# Altium PCB PCB_mcbHallV2.PcbDoc
Units mm, origin at the board's own origin, x right, y up, seen from the top; angles counter-clockwise.
Board outline 245 x 135 mm, 2 copper layers (Top Layer, Bottom Layer), stack 1.59 mm thick; 222 components, 122 nets, 591 pads, 0 vias.
Unrouted connection lines stored in the file: 368.
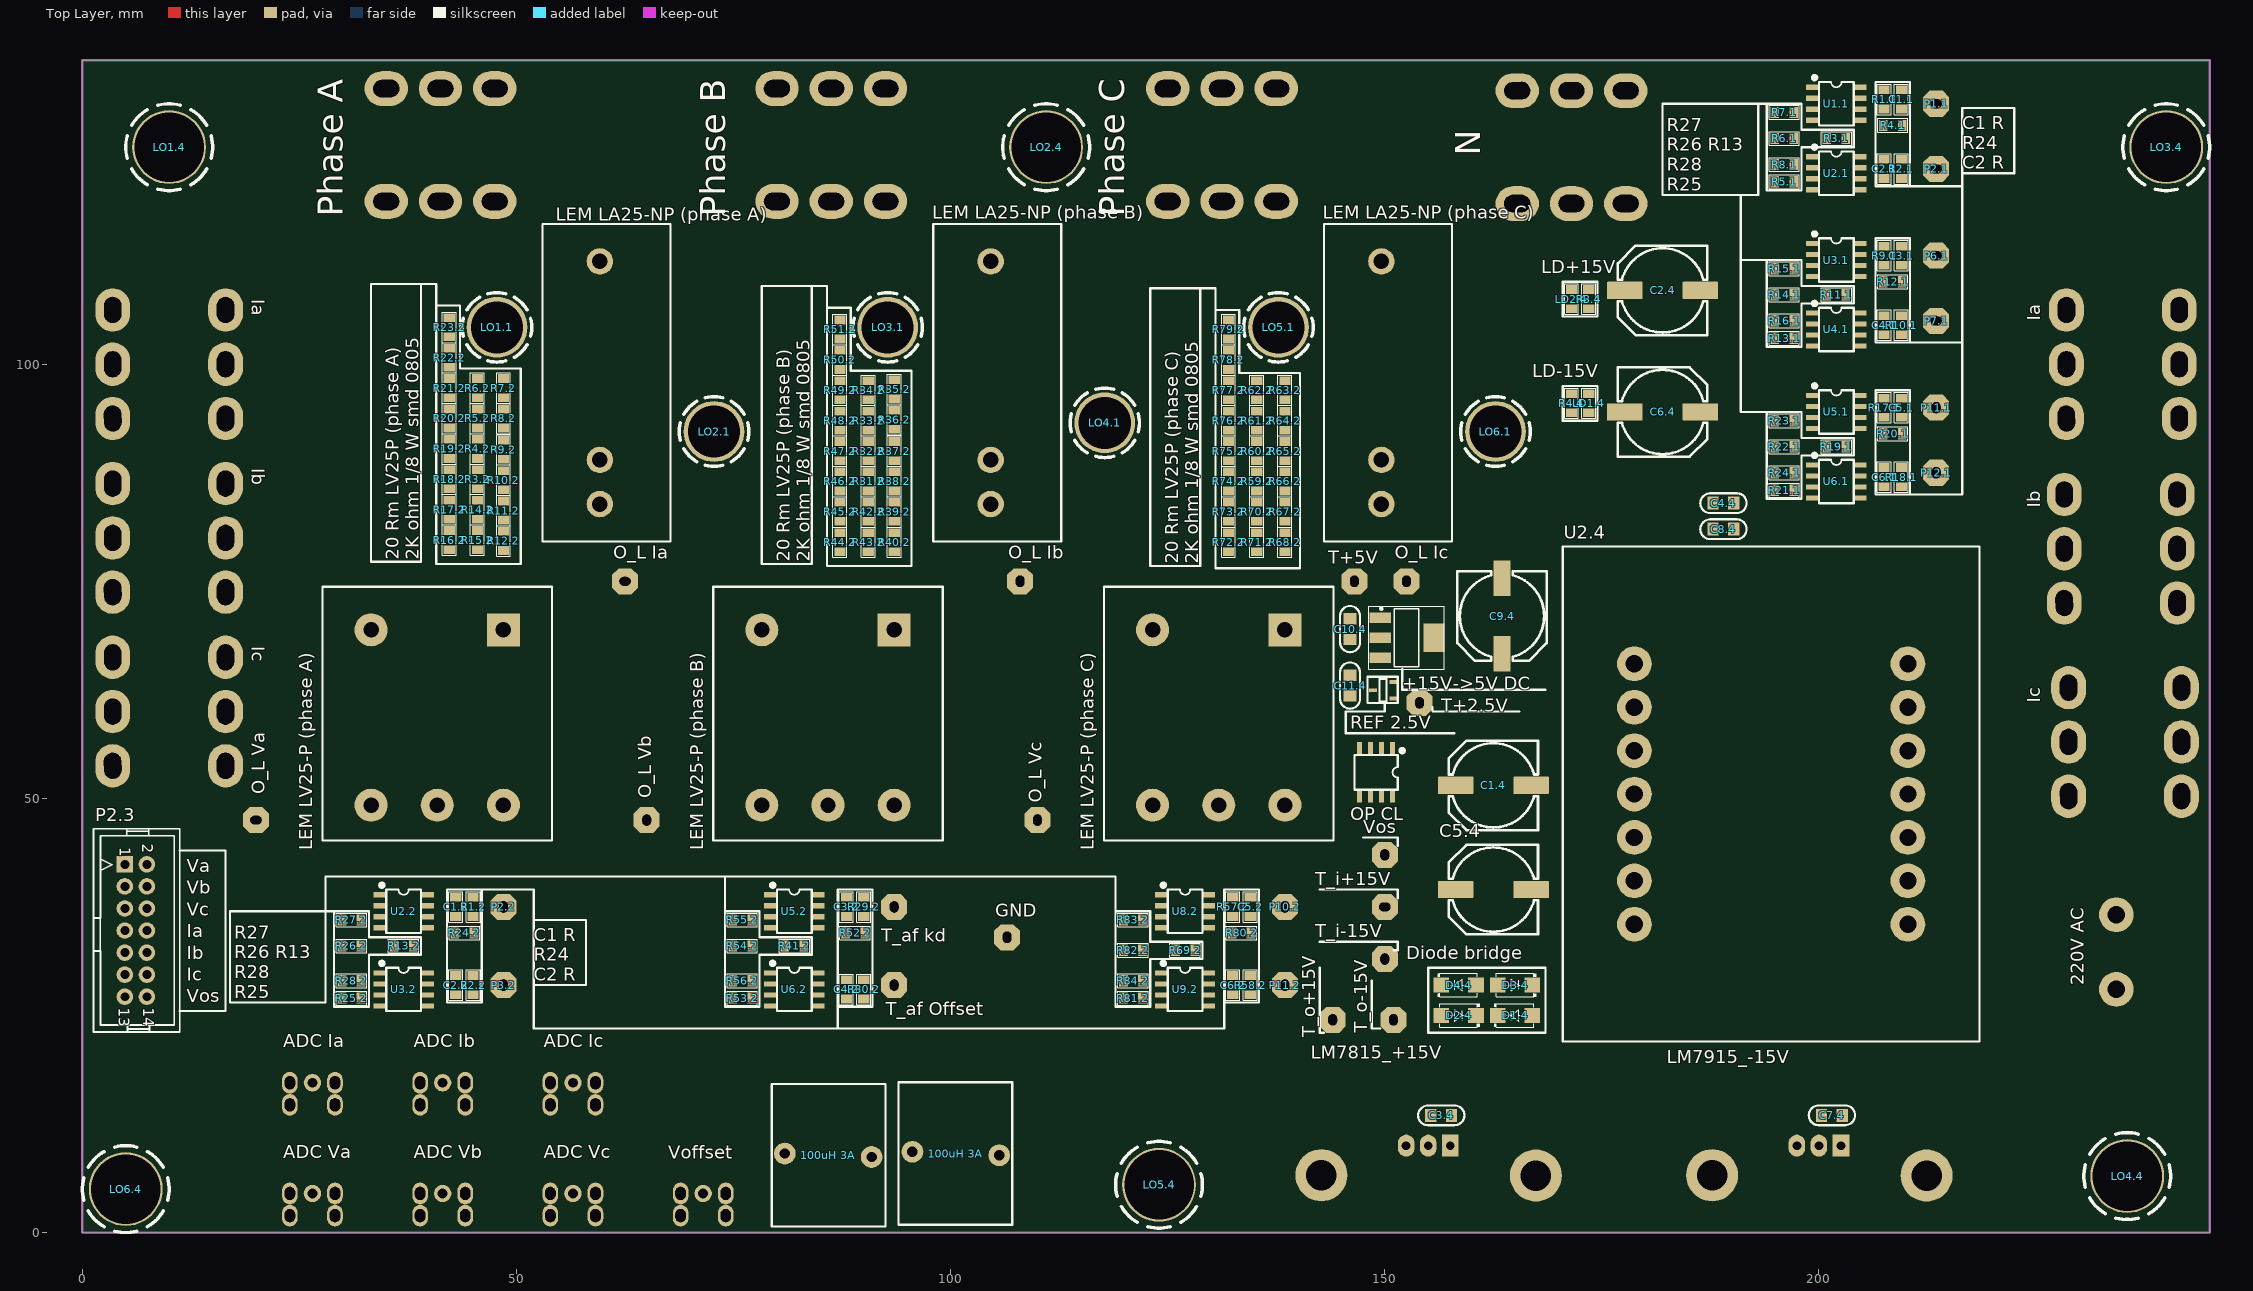
[diagram p0: Top Layer view]
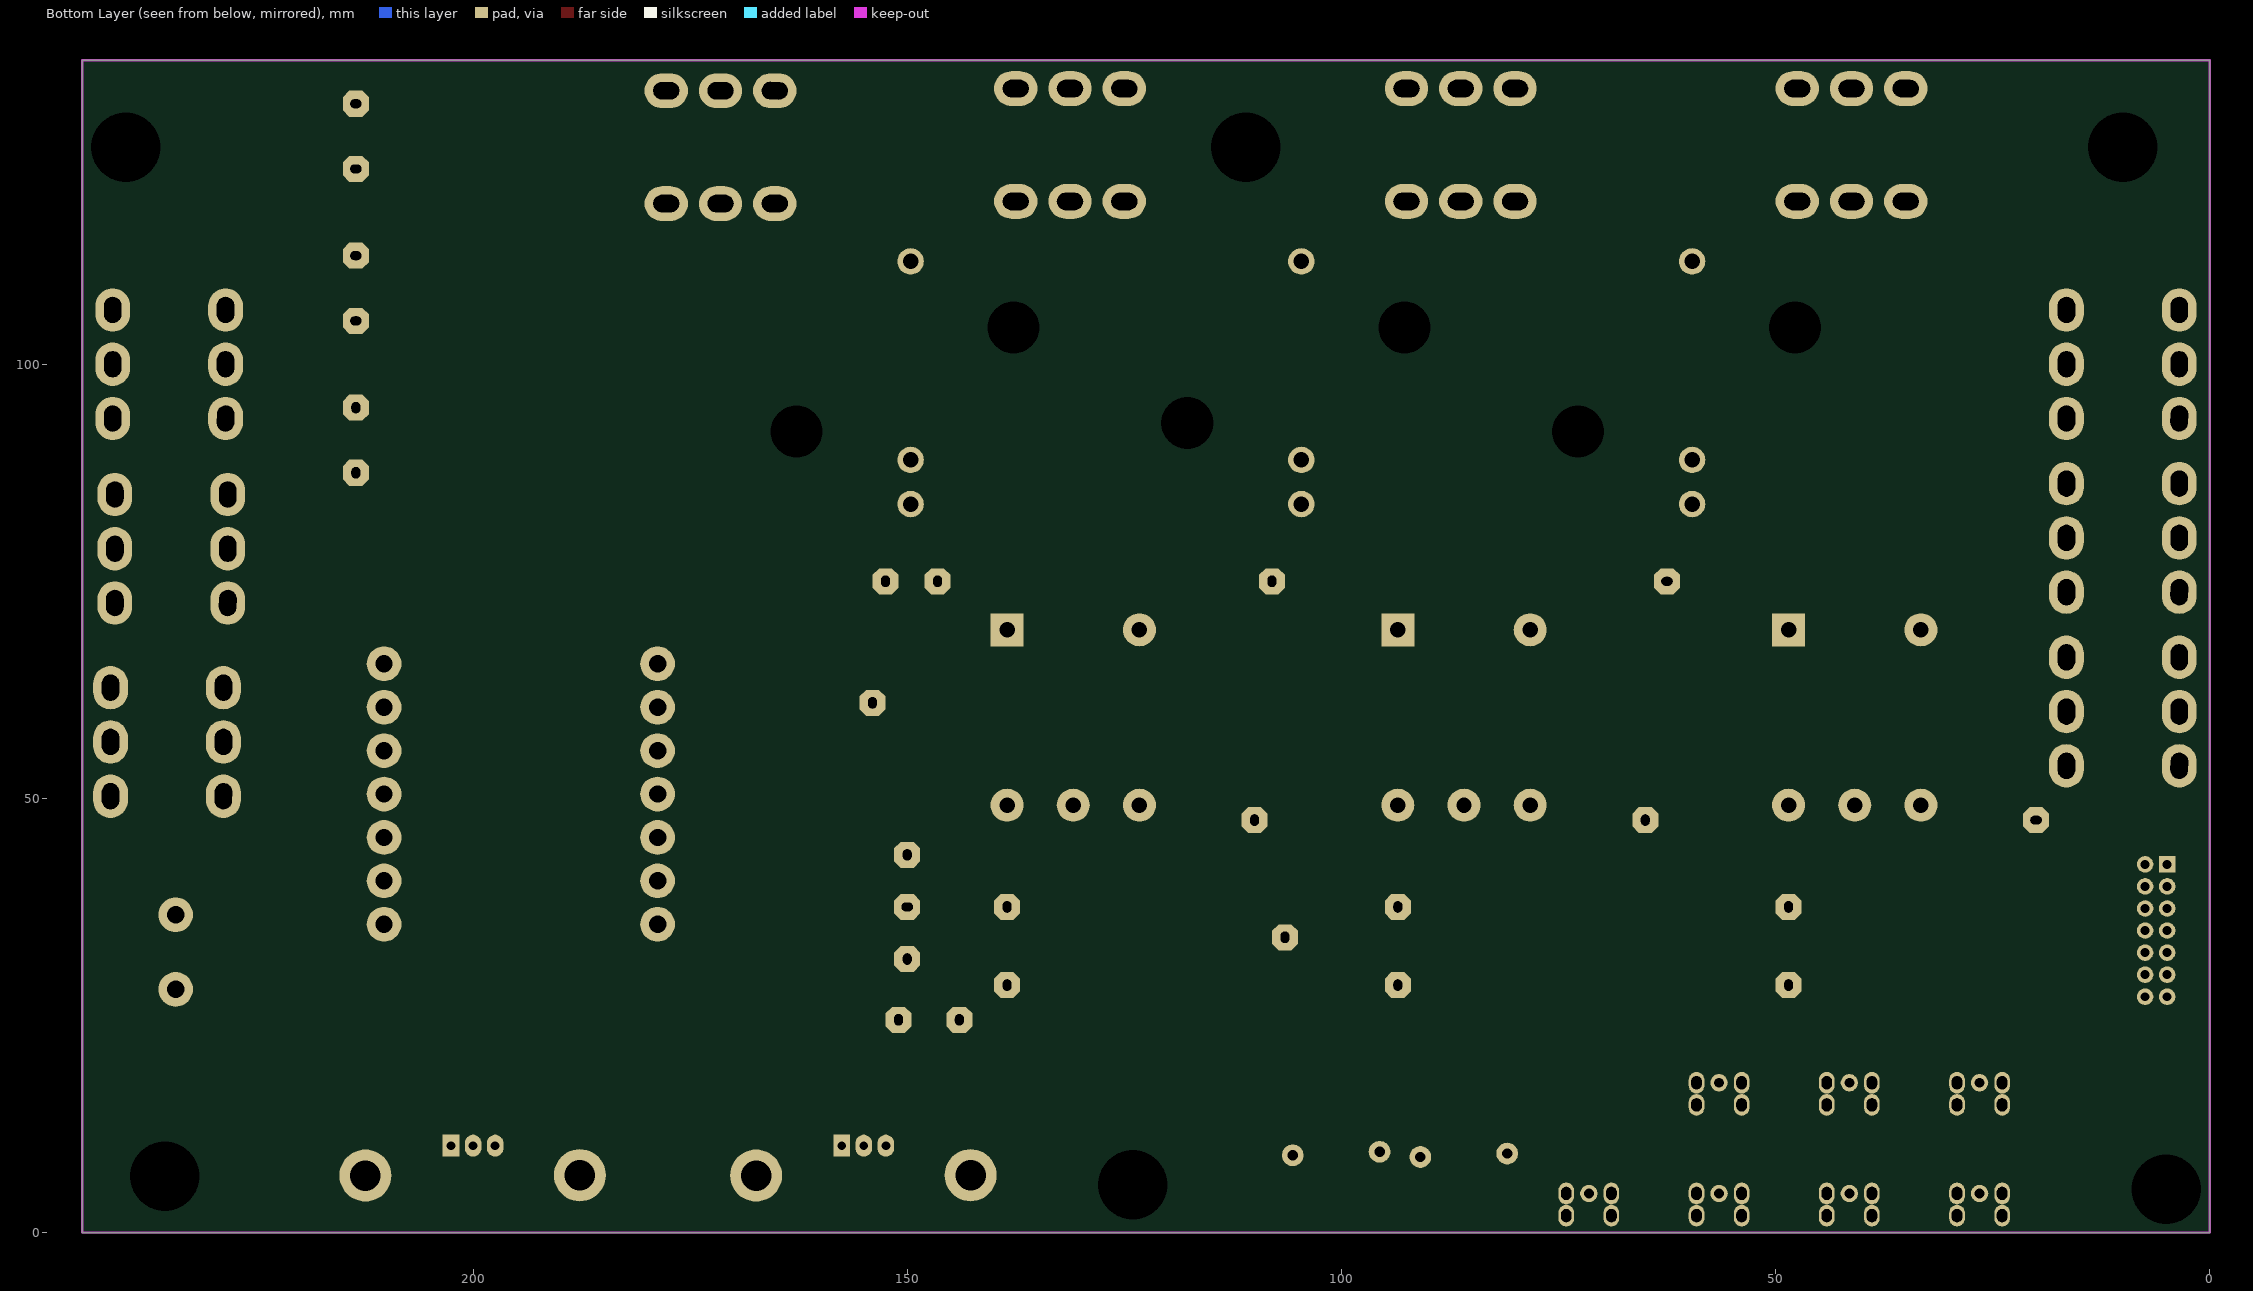
[diagram p1: Bottom Layer view, seen from below]

## Layer stack, top to bottom
Top Solder: solder mask 0.01, Solder Resist, Dk 3.5
Top Layer: signal copper 0.035
Dielectric 1: dielectric 1.52, FR-4, Dk 4.8
Bottom Layer: signal copper 0.035
Bottom Solder: solder mask 0.01, Solder Resist, Dk 3.5

## Board outline
0,0 245,0 245,135 0,135

## Design rules (kind name [scope] priority, off if disabled: settings)
Clearance [All] p1: gap=0.254
PolygonConnect [All] p1: connectstyle=Relief reliefconductorwidth=0.254 reliefentries=4 polygonreliefangle="90 Angle" airgapwidth=0.254
RoutingVias [All] p1: holewidth=0.711 width=1.27 viastyle="Through Hole" minholewidth=0.711 minwidth=1.27 maxholewidth=0.711 maxwidth=1.27
SolderMaskExpansion [All] p1: expansion=0.102
Width [All] p1: maxlimit=0.254 minlimit=0.254 preferedwidth=0.254
30 further rules are at their usual default settings.

## Classes and differential pairs
component class SCH_power: "100uH 3A" "220V AC" "+15V->5V DC" C1.4 C2.4 C3.4 C4.4 C5.4 C6.4 C7.4 C8.4 C9.4 C10.4 C11.4 D1.4 D2.4 D3.4 D4.4 GND LD1.4 LD2.4 LM7815_+15V Lm7915 LO1.4 LO2.4 LO3.4 LO4.4 LO5.4 LO6.4 "OP CL" R3.4 R4.4 "REF 2.5V" T+2.5V T+5V T_i+15V T_i-15V T_o+15V T_o-15V U2.4 Vos
component class SCH_Output: "ADC Ia" "ADC Ib" "ADC Ic" "ADC Va" "ADC Vb" "ADC Vc" P2.3 Voffset
component class SCH_HallVoltageLV25np: C1.2 C2.2 C3.2 C4.2 C5.2 C6.2 "LEM LV25-P (phase A)" "LEM LV25-P (phase B)" "LEM LV25-P (phase C)" "LEM LV 25P (phase A) 500V" N "O_L Va" "O_L Vb" "O_L Vc" P2.2 P3.2 P10.2 P11.2 "Phase A" "Phase B" "Phase C" R1.2 R2.2 R3.2 R4.2 R5.2 R6.2 R7.2 R8.2 R9.2 R10.2 R11.2 R12.2 R13.2 R14.2 R15.2 R16.2 R17.2 R18.2 R19.2 R20.2 R21.2 R22.2 R23.2 R24.2 R25.2 R26.2 R27.2 R28.2 R29.2 R30.2 R31.2 R32.2 R33.2 R34.2 R35.2 R36.2 R37.2 R38.2 R39.2 R40.2 R41.2 R42.2 R43.2 R44.2 R45.2 R46.2 R47.2 R48.2 R49.2 R50.2 R51.2 R52.2 R53.2 R54.2 R55.2 R56.2 R57.2 R58.2 R59.2 R60.2 R61.2 R62.2 R63.2 R64.2 R65.2 R66.2 R67.2 R68.2 R69.2 R70.2 R71.2 R72.2 R73.2 R74.2 R75.2 R76.2 R77.2 R78.2 R79.2 R80.2 R81.2 R82.2 R83.2 R84.2 "T_af kd" "T_af Offset" U2.2 U3.2 U5.2 U6.2 U8.2 U9.2
component class SCH_HallcurrentLA25p: C1.1 C2.1 C3.1 C4.1 C5.1 C6.1 Ia Ib Ic "LA25-NP(phase A)" "LEM LA25-NP (phase A)" "LEM LA25-NP (phase B)" "LEM LA25-NP (phase C)" LO1.1 LO2.1 LO3.1 LO4.1 LO5.1 LO6.1 "O_L Ia" "O_L Ib" "O_L Ic" P1.1 P2.1 P6.1 P7.1 P11.1 P12.1 R1.1 R2.1 R3.1 R4.1 R5.1 R6.1 R7.1 R8.1 R9.1 R10.1 R11.1 R12.1 R13.1 R14.1 R15.1 R16.1 R17.1 R18.1 R19.1 R20.1 R21.1 R22.1 R23.1 R24.1 U1.1 U2.1 U3.1 U4.1 U5.1 U6.1

## Components (designator, comment, footprint, x,y, rotation, side; value= is the part's Value field where it differs from the comment)
"100uH 3A" "Inductor" induction_coil 86,9 r0 top (schematic designator L2.4)
"100uH 3A" "Inductor" induction_coil 100.5,9 r180 top (schematic designator L1.4)
"220V AC" "JACL AC" "IEC C8" 234.5,32 r90 top (schematic designator P4.4)
"+15V->5V DC" "LM1117MP-3.3TR" AMS1117 152.5,68.5 r0 top (schematic designator U4.4)
"ADC Ia" "SMA" SMA 26.5,17.25 r0 top (schematic designator P5.3)
"ADC Ib" "SMA" SMA 41.5,17.25 r0 top (schematic designator P6.3)
"ADC Ic" "SMA" SMA 56.5,17.25 r0 top (schematic designator P7.3)
"ADC Va" "SMA" SMA 26.5,4.5 r0 top (schematic designator P1.3)
"ADC Vb" "SMA" SMA 41.5,4.5 r0 top (schematic designator P3.3)
"ADC Vc" "SMA" SMA 56.5,4.5 r0 top (schematic designator P4.3)
C1.1 "100uF" CAPC0805 209.5,130.5 r270 top
C1.2 "Capacitor" CAPC0805 43,37.5 r270 top
C1.4 "Capacitor Polar" CAP_SMD_L=10.5 162.5,51.5 r0 top
C2.1 "100uF" CAPC0805 207.5,122.5 r90 top
C2.2 "Capacitor" CAPC0805 43,28.5 r90 top
C2.4 "Capacitor Polar" CAP_SMD_L=10.5 182,108.5 r0 top
C3.1 "100uF" CAPC0805 209.5,112.5 r270 top
C3.2 "Capacitor" CAPC0805 88,37.5 r90 top
C3.4 "100nF" C-NP-0805 156.5,13.5 r180 top
C4.1 "100uF" CAPC0805 207.5,104.5 r90 top
C4.2 "Capacitor" CAPC0805 88,28 r90 top
C4.4 "100nF" C-NP-0805 189,84 r180 top
C5.1 "100uF" CAPC0805 209.5,95 r270 top
C5.2 "Capacitor" CAPC0805 134.5,37.5 r270 top
C5.4 "Capacitor Polar" CAP_SMD_L=10.5 162.5,39.5 r0 top
C6.1 "100uF" CAPC0805 207.5,87 r90 top
C6.2 "Capacitor" CAPC0805 132.5,28.5 r90 top
C6.4 "Capacitor Polar" CAP_SMD_L=10.5 182,94.5 r180 top
C7.4 "100nF" C-NP-0805 201.5,13.5 r0 top
C8.4 "100nF" C-NP-0805 189,81 r180 top
C9.4 "Capacitor Polar" CAP_SMD_L=10.5 163.5,71 r90 top
C10.4 "100nF" C-NP-0805 146,69.5 r90 top
C11.4 "100nF" C-NP-0805 146,63 r90 top
D1.4 "Diode" DO-214AC 165,25 r180 top
D2.4 "Diode" DO-214AC 158.5,25 r0 top
D3.4 "Diode" DO-214AC 165,28.5 r0 top
D4.4 "Diode" DO-214AC 158.5,28.5 r180 top
GND "testpin" Tp_black_1p 106.5,34 r90 top (schematic designator P3.4)
Ia "Terminal on PCB" "Terminal M5" 235,100 r90 top (schematic designator P4.1)
Ia "Terminal on PCB" "Terminal M5" 10,100 r90 top (schematic designator P3.1)
Ib "Terminal on PCB" "Terminal M5" 234.75,78.75 r90 top (schematic designator P15.1)
Ib "Terminal on PCB" "Terminal M5" 10,80 r90 top (schematic designator P8.1)
Ic "Terminal on PCB" "Terminal M5" 10,60 r90 top (schematic designator P13.1)
Ic "Terminal on PCB" "Terminal M5" 235.25,56.5 r90 top (schematic designator P9.1)
LD1.4 "LED-Blue" "LED 0805 Blue" 173.5,95.5 r270 top
LD2.4 "LED-RED" "LED RED 0805" 171.5,107.5 r90 top
"LEM LA25-NP (phase A)" "LEM LA25_P" "LEM LA25_P" 60.75,98.25 r90 top (schematic designator U7.1)
"LEM LA25-NP (phase B)" "LEM LA25_P" "LEM LA25_P" 105.75,98.25 r90 top (schematic designator U8.1)
"LEM LA25-NP (phase C)" "LEM LA25_P" "LEM LA25_P" 150.75,98.25 r90 top (schematic designator U9.1)
"LEM LV25-P (phase A)" "LEM Lv25_P" "LEN LV25_P" 40.75,59.25 r270 top (schematic designator U1.2)
"LEM LV25-P (phase B)" "LEM Lv25_P" "LEN LV25_P" 85.75,59.25 r270 top (schematic designator U4.2)
"LEM LV25-P (phase C)" "LEM Lv25_P" "LEN LV25_P" 130.75,59.25 r270 top (schematic designator U7.2)
LM7815_+15V "LM78xx" "TO 220 THermal 25x25" 155,10 r180 top (schematic designator U1.4)
LM7915_-15V "79LXX" "TO 220 THermal 25x25" 200,10 r180 top (schematic designator U3.4)
LO1.1 "LO KHOAN" "Lo Khoang - 6mm" 47.75,104.25 r0 top
LO1.4 "LO KHOAN" "SP PCB" 10,125 r0 top
LO2.1 "LO KHOAN" "Lo Khoang - 6mm" 72.75,92.25 r0 top
LO2.4 "LO KHOAN" "SP PCB" 111,125 r0 top
LO3.1 "LO KHOAN" "Lo Khoang - 6mm" 92.75,104.25 r0 top
LO3.4 "LO KHOAN" "SP PCB" 240,125 r0 top
LO4.1 "LO KHOAN" "Lo Khoang - 6mm" 117.75,93.25 r0 top
LO4.4 "LO KHOAN" "SP PCB" 235.5,6.5 r0 top
LO5.1 "LO KHOAN" "Lo Khoang - 6mm" 137.75,104.25 r0 top
LO5.4 "LO KHOAN" "SP PCB" 124,5.5 r0 top
LO6.1 "LO KHOAN" "Lo Khoang - 6mm" 162.75,92.25 r0 top
LO6.4 "LO KHOAN" "SP PCB" 5,5 r0 top
N "Terminal on PCB" "Terminal M5" 171.5,125 r0 top (schematic designator P13.2)
"O_L Ia" "testpin" Tp_blue_1p 62.5,75 r0 top (schematic designator P5.1)
"O_L Ib" "testpin" Tp_blue_1p 108,75 r90 top (schematic designator P10.1)
"O_L Ic" "testpin" Tp_blue_1p 152.5,75 r90 top (schematic designator P14.1)
"O_L Va" "testpin" tp_red_1p 20,47.5 r0 top (schematic designator P1.2)
"O_L Vb" "testpin" tp_red_1p 65,47.5 r90 top (schematic designator P5.2)
"O_L Vc" "testpin" tp_red_1p 110,47.5 r90 top (schematic designator P9.2)
"OP CL" "opamp_741" SOIC-8_dan 149,53 r270 top (schematic designator U5.4)
P1.1 "testpin" Tp_blue_1p 213.5,130 r0 top
P2.1 "testpin" Tp_blue_1p 213.5,122.5 r0 top
P2.2 "testpin" tp_red_1p 48.5,37.5 r90 top
P2.3 "header_2x7" hd_2x7 6,34.5 r270 top
P3.2 "testpin" tp_red_1p 48.5,28.5 r90 top
P6.1 "testpin" Tp_blue_1p 213.5,112.5 r0 top
P7.1 "testpin" Tp_blue_1p 213.5,105 r0 top
P10.2 "testpin" tp_red_1p 138.5,37.5 r90 top
P11.1 "testpin" Tp_blue_1p 213.5,95 r90 top
P11.2 "testpin" tp_red_1p 138.5,28.5 r90 top
P12.1 "testpin" Tp_blue_1p 213.5,87.5 r90 top
"Phase A" "Terminal on PCB" "Terminal M5" 41.25,125.25 r0 top (schematic designator P4.2)
"Phase B" "Terminal on PCB" "Terminal M5" 86.25,125.25 r0 top (schematic designator P8.2)
"Phase C" "Terminal on PCB" "Terminal M5" 131.25,125.25 r0 top (schematic designator P12.2)
R1.1 "Resistor" RESC0805 207.5,130.5 r90 top
R1.2 "Resistor" RESC0805 45,37.5 r90 top
R2.1 "Resistor" RESC0805 209.5,122.5 r270 top
R2.2 "Resistor" RESC0805 45,28.5 r270 top
R3.1 "Resistor" RESC0805 202,126 r180 top
R3.2 "Resistor" RESC0805 45.5,86.75 r90 top
R3.4 "Resistor" RESC0805 173.5,107.5 r90 top
R4.1 "Resistor" RESC0805 208.5,127.5 r180 top
R4.2 "Resistor" RESC0805 45.5,90.25 r270 top
R4.4 "Resistor" RESC0805 171.5,95.5 r90 top
R5.1 "Resistor" RESC0805 196,121 r180 top
R5.2 "Resistor" RESC0805 45.5,93.75 r90 top
R6.1 "Resistor" RESC0805 196,126 r0 top
R6.2 "Resistor" RESC0805 45.5,97.25 r270 top
R7.1 "Resistor" RESC0805 196,129 r0 top
R7.2 "Resistor" RESC0805 48.5,97.25 r270 top
R8.1 "Resistor" RESC0805 196,123 r0 top
R8.2 "Resistor" RESC0805 48.5,93.75 r90 top
R9.1 "Resistor" RESC0805 207.5,112.5 r90 top
R9.2 "Resistor" RESC0805 48.5,90.15 r270 top
R10.1 "Resistor" RESC0805 209.5,104.5 r270 top
R10.2 "Resistor" RESC0805 48.5,86.65 r90 top
R11.1 "Resistor" RESC0805 202,108 r180 top
R11.2 "Resistor" RESC0805 48.5,83.15 r270 top
R12.1 "Resistor" RESC0805 208.5,109.5 r180 top
R12.2 "Resistor" RESC0805 48.5,79.65 r90 top
R13.1 "Resistor" RESC0805 196,103 r180 top
R13.2 "Resistor" RESC0805 37,33 r180 top
R14.1 "Resistor" RESC0805 196,108 r0 top
R14.2 "Resistor" RESC0805 45.5,83.25 r270 top
R15.1 "Resistor" RESC0805 196,111 r0 top
R15.2 "Resistor" RESC0805 45.5,79.75 r90 top
R16.1 "Resistor" RESC0805 196,105 r0 top
R16.2 "Resistor" RESC0805 42.25,79.75 r90 top
R17.1 "Resistor" RESC0805 207.5,95 r90 top
R17.2 "Resistor" RESC0805 42.25,83.25 r270 top
R18.1 "Resistor" RESC0805 209.5,87 r270 top
R18.2 "Resistor" RESC0805 42.25,86.75 r90 top
R19.1 "Resistor" RESC0805 202,90.5 r180 top
R19.2 "Resistor" RESC0805 42.25,90.25 r270 top
R20.1 "Resistor" RESC0805 208.5,92 r180 top
R20.2 "Resistor" RESC0805 42.25,93.75 r90 top
R21.1 "Resistor" RESC0805 196,85.5 r180 top
R21.2 "Resistor" RESC0805 42.25,97.25 r270 top
R22.1 "Resistor" RESC0805 196,90.5 r0 top
R22.2 "Resistor" RESC0805 42.25,100.75 r90 top
R23.1 "Resistor" RESC0805 196,93.5 r0 top
R23.2 "Resistor" RESC0805 42.25,104.25 r270 top
R24.1 "Resistor" RESC0805 196,87.5 r0 top
R24.2 "Resistor" RESC0805 44,34.5 r0 top
R25.2 "Resistor" RESC0805 31,27 r180 top
R26.2 "Resistor" RESC0805 31,33 r0 top
R27.2 "Resistor" RESC0805 31,36 r0 top
R28.2 "Resistor" RESC0805 31,29 r0 top
R29.2 "Resistor" RESC0805 90,37.5 r270 top
R30.2 "Resistor" RESC0805 90,28 r270 top
R31.2 "Resistor" RESC0805 90.5,86.5 r90 top
R32.2 "Resistor" RESC0805 90.5,90 r270 top
R33.2 "Resistor" RESC0805 90.5,93.5 r90 top
R34.2 "Resistor" RESC0805 90.5,97 r270 top
R35.2 "Resistor" RESC0805 93.5,97.1 r270 top
R36.2 "Resistor" RESC0805 93.5,93.6 r90 top
R37.2 "Resistor" RESC0805 93.5,90 r270 top
R38.2 "Resistor" RESC0805 93.5,86.5 r90 top
R39.2 "Resistor" RESC0805 93.5,83 r270 top
R40.2 "Resistor" RESC0805 93.5,79.5 r90 top
R41.2 "Resistor" RESC0805 82,33 r180 top
R42.2 "Resistor" RESC0805 90.5,83 r270 top
R43.2 "Resistor" RESC0805 90.5,79.5 r90 top
R44.2 "Resistor" RESC0805 87.25,79.5 r90 top
R45.2 "Resistor" RESC0805 87.25,83 r270 top
R46.2 "Resistor" RESC0805 87.25,86.5 r90 top
R47.2 "Resistor" RESC0805 87.25,90 r270 top
R48.2 "Resistor" RESC0805 87.25,93.5 r90 top
R49.2 "Resistor" RESC0805 87.25,97 r270 top
R50.2 "Resistor" RESC0805 87.25,100.5 r90 top
R51.2 "Resistor" RESC0805 87.25,104 r270 top
R52.2 "Resistor" RESC0805 89,34.5 r0 top
R53.2 "Resistor" RESC0805 76,27 r180 top
R54.2 "Resistor" RESC0805 76,33 r0 top
R55.2 "Resistor" RESC0805 76,36 r0 top
R56.2 "Resistor" RESC0805 76,29 r0 top
R57.2 "Resistor" RESC0805 132.5,37.5 r90 top
R58.2 "Resistor" RESC0805 134.5,28.5 r270 top
R59.2 "Resistor" RESC0805 135.25,86.5 r90 top
R60.2 "Resistor" RESC0805 135.25,90 r270 top
R61.2 "Resistor" RESC0805 135.25,93.5 r90 top
R62.2 "Resistor" RESC0805 135.25,97 r270 top
R63.2 "Resistor" RESC0805 138.5,97 r270 top
R64.2 "Resistor" RESC0805 138.5,93.5 r90 top
R65.2 "Resistor" RESC0805 138.5,90 r270 top
R66.2 "Resistor" RESC0805 138.5,86.5 r90 top
R67.2 "Resistor" RESC0805 138.5,83 r270 top
R68.2 "Resistor" RESC0805 138.5,79.5 r270 top
R69.2 "Resistor" RESC0805 127,32.5 r180 top
R70.2 "Resistor" RESC0805 135.25,83 r270 top
R71.2 "Resistor" RESC0805 135.25,79.5 r90 top
R72.2 "Resistor" RESC0805 132,79.5 r90 top
R73.2 "Resistor" RESC0805 132,83 r270 top
R74.2 "Resistor" RESC0805 132,86.5 r90 top
R75.2 "Resistor" RESC0805 132,90 r270 top
R76.2 "Resistor" RESC0805 132,93.5 r90 top
R77.2 "Resistor" RESC0805 132,97 r270 top
R78.2 "Resistor" RESC0805 132,100.5 r90 top
R79.2 "Resistor" RESC0805 132,104 r270 top
R80.2 "Resistor" RESC0805 133.5,34.5 r0 top
R81.2 "Resistor" RESC0805 121,27 r180 top
R82.2 "Resistor" RESC0805 121,32.5 r0 top
R83.2 "Resistor" RESC0805 121,36 r0 top
R84.2 "Resistor" RESC0805 121,29 r0 top
"REF 2.5V" "4.096V REF" SOT233 151,61.5 r90 top (schematic designator P6.4)
T+2.5V "testpin" tp_red_1p 154,61 r90 top (schematic designator P9.4)
T+5V "testpin" tp_red_1p 146.5,75 r90 top (schematic designator P8.4)
"T_af kd" "testpin" tp_red_1p 93.5,37.5 r90 top (schematic designator P6.2)
"T_af Offset" "testpin" tp_red_1p 93.5,28.5 r90 top (schematic designator P7.2)
T_i+15V "testpin" tp_red_1p 150,37.5 r180 top (schematic designator P1.4)
T_i-15V "testpin" tp_red_1p 150,31.5 r90 top (schematic designator P5.4)
T_o+15V "testpin" tp_red_1p 144,24.5 r90 top (schematic designator P2.4)
T_o-15V "testpin" tp_red_1p 151,24.5 r90 top (schematic designator P7.4)
U1.1 "opamp_741" SOIC-8_dan 202,130 r0 top
U2.1 "opamp_741" SOIC-8_dan 202,122 r0 top
U2.2 "opamp_741" SOIC-8_dan 37,37 r0 top
U2.4 "MBA 2VA" "mba 2Kva 48x57" 194.5,50.5 r180 top
U3.1 "opamp_741" SOIC-8_dan 202,112 r0 top
U3.2 "opamp_741" SOIC-8_dan 37,28 r0 top
U4.1 "opamp_741" SOIC-8_dan 202,104 r0 top
U5.1 "opamp_741" SOIC-8_dan 202,94.5 r0 top
U5.2 "opamp_741" SOIC-8_dan 82,37 r0 top
U6.1 "opamp_741" SOIC-8_dan 202,86.5 r0 top
U6.2 "opamp_741" SOIC-8_dan 82,28 r0 top
U8.2 "opamp_741" SOIC-8_dan 127,37 r0 top
U9.2 "opamp_741" SOIC-8_dan 127,28 r0 top
Voffset "SMA" SMA 71.5,4.5 r0 top (schematic designator P8.3)
Vos "testpin" tp_red_1p 150,43.5 r90 top (schematic designator P10.4)

## Footprints (in the part's own frame and the unit in brackets; to place one, negate y for a bottom-side part, rotate by r counter-clockwise, add the part's x,y. Pads: shape width x height; smd on the part's side, far side on the other; paste and mask are expansions set on the pad)
AMS1117 [mm]
  rect 2.5x1.2 smd: 1(-3.027,2.3) 2(-3.027,0) 3(-3.027,-2.3)
  rect 2.4x3.3 smd: 2(3.154,0)
  silkscreen extent -4.35,-3.6 4.35,3.6, body extent -3.39,-3.27 3.5,3.23, height 1.72
C-NP-0805 [mm] "Chip Capacitor; Non-polarized; Body 2.0 x 1.3 mm (LxW typ) [2012]"
  rect 1.3x1.5 smd: 1(-1.194,0) 2(1.194,0)
  silkscreen extent -2.67,-1.14 2.66,1.14, body extent -0.8,-0.43 0.8,0.43, height 0.79
CAP_SMD_L=10.5 [mm]
  rrect10% 4.1x2 smd mask+0.1: 1(-4.35,0) 2(4.35,0)
  silkscreen extent -5.15,-5.15 5.15,5.15, body extent -5.8,-5.15 5.8,5.15, height 10.2
CAPC0805 [mm] "Chip Capacitor, Body 2.0x1.3mm, IPC High Density"
  rect 1x1.3 smd: 1(-1.1,0) 2(1.1,0)
  silkscreen extent -1.75,-0.8 1.75,0.8, body extent -1.19,-0.72 1.21,0.74, height 0.65
DO-214AC [mm]
  rect 1.8x1.7 smd: 1(-2,0) 2(2,0)
  silkscreen extent -2.15,-1.36 2.45,1.36, body extent -2.49,-1.35 2.51,1.35, height 2.2
hd_2x7 [mm]
  rect 1.905x1.905 hole 1.016: 1(-7.9,-1.1)
  round 1.905 hole 1.016: 2(-7.9,1.44) 3(-5.36,-1.1) 4(-5.36,1.44) 5(-2.82,-1.1) 6(-2.82,1.44) 7(-0.28,-1.1) 8(-0.28,1.44) 9(2.26,-1.1) 10(2.26,1.44) 11(4.8,-1.1) 12(4.8,1.44) 13(7.34,-1.1) 14(7.34,1.44)
  silkscreen extent -12,-4.7 11.4,5.22, body extent -11.09,-4.4 10.49,4.97, height 9.27
"IEC C8" [mm]
  round 4 hole 2: 1(-4,0.25) 2(4.6,0.25)
  body extent -10.75,-12.75 11.25,1.25, height 12.7
induction_coil [mm]
  round 2.5 hole 1.2: 1(-5.1,0.1) 2(4.9,-0.3)
  silkscreen extent -6.6,-8.3 6.5,8.1, body extent -5.6,-8.08 5.4,7.88, height 18.62
"LED 0805 Blue" [mm]
  rect 1x1.3 smd: 1(-1.1,0) 2(1.1,0)
  silkscreen extent -1.75,-0.8 1.75,0.8, body extent -1.01,-0.62 1.01,0.63, height 0.8
"LED RED 0805" [mm]
  rect 1x1.3 smd: 1(-1.1,0) 2(1.1,0)
  silkscreen extent -1.75,-0.8 1.75,0.8, body extent -1.01,-0.62 1.01,0.63, height 0.8
"LEM LA25_P" [mil]
  round 120 hole 70: 1(-565,45) 2(-365,45) 3(535,45)
  silkscreen extent -735,-275 705,305, body extent -735,-269 702,299, height 1135
"LEN LV25_P" [mil]
  rect 150x150 hole 70: 1(-400,305)
  round 150 hole 70: 2(-400,-295) 3(395,-295) 4(395,5) 5(395,305)
  silkscreen extent -595,-515 555,525, body extent -545,-505 605,519, height 708
"Lo Khoang - 6mm" [mm] "SCREW mouting, M3.5, 3.5mm diameter and 7.0mm, FlatHead"
  round 7 / inner round 4 / far side round 5.6 hole 6 mask+0.1: 1(0,0)
  silkscreen extent -4,-4 4,4
"mba 2Kva 48x57" [mm]
  round 4 hole 2: 0(-15.75,15) 1(15.75,15) 2(-15.75,10) 3(15.75,10) 4(-15.75,5) 5(15.75,5) 6(-15.75,0) 7(15.75,0) 8(-15.75,-5) 9(15.75,-5) 10(-15.75,-10) 11(15.75,-10) 12(-15.75,-15) 13(15.75,-15)
  round 3.175 on Top Overlay: ""(-18.42,21.615)
  silkscreen extent -24,-28.5 24,28.5, body extent -16,-17.5 15.5,17.5, height 28.93
RESC0805 [mm] "Chip Resistor, Body 2.0x1.3mm, IPC High Density"
  rect 1x1.3 smd: 1(-1.1,0) 2(1.1,0)
  silkscreen extent -1.75,-0.8 1.75,0.8, body extent -0.99,-0.62 1.01,0.63, height 0.45
SMA [mm]
  round 2 hole 1.15: 1(0,0)
  oval 1.8x2.5 hole 1.2 slot 1.5 at 90 deg: 2(-2.6,-2.55) 2(-2.6,0) 2(2.6,-2.55) 2(2.6,0)
  body extent -3.25,-3.2 3.25,3.3, height 10
SOIC-8_dan [mm]
  rect 1.55x0.6 smd: 1(-2.7,1.905) 2(-2.7,0.635) 3(-2.7,-0.635) 4(-2.7,-1.905) 5(2.7,-1.905) 6(2.7,-0.635) 7(2.7,0.635) 8(2.7,1.905)
  silkscreen extent -2.8,-2.5 2,3.3, body extent -3,-2.45 3,2.45, height 1.7
SOT233 [mm]
  rect 0.44x0.9 smd: 1(0,0) 2(1.92,0) 3(0.96,2.37)
  silkscreen extent -0.36,0.79 2.29,1.6, body extent -0.49,-0.05 2.43,2.43, height 1.04
"SP PCB" [mm]
  round 8.5 / inner round 4 / far side round 5.6 hole 8 mask+0.1: 1(0,0)
  silkscreen extent -5,-5 5,5, body extent -15,-15 15,15
"Terminal M5" [mm]
  oval 5x4 hole 3 slot 2 at 91.5 deg: 1(-6.25,6.5)
  oval 5x4 hole 3 slot 2 at 90 deg: 1(-6.25,-6.5) 1(0,6.5) 1(0,-6.5) 1(6.25,6.5) 1(6.25,-6.5)
  body extent -7.25,-7.25 7.25,7.25, height 8.5
"TO 220 THermal 25x25" [mm]
  rect 1.905x2.54 hole 1.016: 1(-2.54,0)
  oval 1.905x2.54 hole 1.016: 2(0,0) 3(2.54,0)
  round 6 hole 3.5: 4(-12.4,3.44) 4(12.3,3.4)
  body extent -21,-9 21,16, height 27.28
Tp_black_1p [mm]
  oct 3x3 hole 1 slot 1.3 at 0 deg: 1(0,0)
  body extent -1.15,-1.15 1.15,1.15, height 5
Tp_blue_1p [mm]
  oct 3x3 hole 1 slot 1.3 at 0 deg: 1(0,0)
  body extent -1.15,-1.15 1.15,1.15, height 5
tp_red_1p [mm]
  oct 3x3 hole 1 slot 1.3 at 0 deg: 1(0,0)
  body extent -1.15,-1.15 1.15,1.15, height 5

## Part data
"+15V->5V DC": "3.3V 800mA Low-Dropout Linear Regulator"
"ADC Ia" "ADC Ib" "ADC Ic" "ADC Va" "ADC Vb" "ADC Vc" Voffset: library part "SMA 13,5"
C1.1 C1.2 C2.1 C2.2 C3.1 C3.2 C3.4 C4.1 C4.2 C4.4 C5.1 C5.2 C6.1 C6.2 C7.4 C8.4 C10.4 C11.4: library part capacitor_non_polar, "capacitor non polar"
C1.4 C2.4 C5.4 C6.4 C9.4: library part "capacitor_polar 6.3x11mm", "capacitor polar"
D1.4 D2.4 D3.4 D4.4: library part diode, "diode"
LD1.4: library part LED_LTST-C191KGKT, "LED GREEN CLEAR 0603 SMD"
LD2.4: library part LED_LTST-C191KRKT, "LED RED CLEAR 0603 SMD"
"LEM LV25-P (phase A)" "LEM LV25-P (phase B)" "LEM LV25-P (phase C)": library part "LEM LV25_P"
LM7815_+15V: "Regulator"
LM7915_-15V: library part LM79LXX, "3-Terminal Negative Regulator"
"OP CL" U1.1 U2.1 U2.2 U3.1 U3.2 U4.1 U5.1 U5.2 U6.1 U6.2 U8.2 U9.2: library part "opamp 741"
P2.3: library part header_2x7pin
R1.1 R1.2 R2.1 R2.2 R3.1 R3.2 R3.4 R4.1 R4.2 R4.4 R5.1 R5.2 R6.1 R6.2 R7.1 R7.2 R8.1 R8.2 R9.1 R9.2 R10.1 R10.2 R11.1 R11.2 R12.1 R12.2 R13.1 R13.2 R14.1 R14.2 R15.1 R15.2 R16.1 R16.2 R17.1 R17.2 R18.1 R18.2 R19.1 R19.2 R20.1 R20.2 R21.1 R21.2 R22.1 R22.2 R23.1 R23.2 R24.1 R24.2 R25.2 R26.2 R27.2 R28.2 R29.2 R30.2 R31.2 R32.2 R33.2 R34.2 R35.2 R36.2 R37.2 R38.2 R39.2 R40.2 R41.2 R42.2 R43.2 R44.2 R45.2 R46.2 R47.2 R48.2 R49.2 R50.2 R51.2 R52.2 R53.2 R54.2 R55.2 R56.2 R57.2 R58.2 R59.2 R60.2 R61.2 R62.2 R63.2 R64.2 R65.2 R66.2 R67.2 R68.2 R69.2 R70.2 R71.2 R72.2 R73.2 R74.2 R75.2 R76.2 R77.2 R78.2 R79.2 R80.2 R81.2 R82.2 R83.2 R84.2: library part resistor, "resistor"
"REF 2.5V": library part MCP1541T
U2.4: library part "MBA 2Va 48x57 mm"

## Nets (pads, with @x,y where several pads share a name; then routed paths per layer and width w, separated by ;. In a path a pad name is that pad's centre, name@x,y a point inside that pad or via, vN(x,y) a via of type N, cw(c..) or ccw(c..) an arc to the next point about the centre after c; other vN are vias at no path point)
+15V: "+15V->5V DC.3" "LEM LA25-NP (phase A).3" "LEM LA25-NP (phase B).3" "LEM LA25-NP (phase C).3" "LEM LV25-P (phase A).4" "LEM LV25-P (phase B).4" "LEM LV25-P (phase C).4" "OP CL.7" C2.4.1 C4.4.1 LM7815_+15V.3 R3.4.2 T_o+15V.1 U1.1.7 U2.1.7 U2.2.7 U3.1.7 U3.2.7 U4.1.7 U5.1.7 U5.2.7 U6.1.7 U6.2.7 U8.2.7 U9.2.7
-15V: "LEM LA25-NP (phase A).2" "LEM LA25-NP (phase B).2" "LEM LA25-NP (phase C).2" "LEM LV25-P (phase A).5" "LEM LV25-P (phase B).5" "LEM LV25-P (phase C).5" "OP CL.4" C6.4.2 C8.4.1 LD1.4.2 LM7915_-15V.3 T_o-15V.1 U1.1.4 U2.1.4 U2.2.4 U3.1.4 U3.2.4 U4.1.4 U5.1.4 U5.2.4 U6.1.4 U6.2.4 U8.2.4 U9.2.4
GND: "+15V->5V DC.1" "ADC Ia.2" "ADC Ib.2" "ADC Ic.2" "ADC Va.2" "ADC Vb.2" "ADC Vc.2" "REF 2.5V.3" C1.4.2 C2.4.2 C3.4.2 C4.4.2 C5.4.1 C6.4.1 C7.4.2 C8.4.2 C9.4.2 C10.4.2 C11.4.1 GND.1 LD2.4.2 LM7815_+15V.2 LM7915_-15V.1 P2.3.2 P2.3.4 P2.3.6 P2.3.8 P2.3.10 P2.3.12 P2.3.14 R4.4.1 R6.1.1 R7.1.1 R8.1.1 R14.1.1 R15.1.1 R16.1.1 R22.1.1 R23.1.1 R24.1.1 R26.2.1 R27.2.1 R28.2.1 R54.2.1 R55.2.1 R56.2.1 R82.2.1 R83.2.1 R84.2.1 U2.4.7 Voffset.2
N: "LEM LV25-P (phase A).2" "LEM LV25-P (phase B).2" "LEM LV25-P (phase C).2" N.1
NetC1.1_1: C1.1.1 R1.1.2 R3.1.1 U1.1.2
NetC1.1_2: C1.1.2 P1.1.1 R1.1.1 R4.1.2 U1.1.6
NetC1.2_1: C1.2.1 R1.2.2 R13.2.1 U2.2.2
NetC1.2_2: C1.2.2 P2.2.1 R1.2.1 R24.2.2 U2.2.6
NetC1.4_1: "100uH 3A.2"@95.6,9.3 C1.4.1 C3.4.1 LM7815_+15V.1 T_i+15V.1
NetC2.1_1: C2.1.1 R2.1.2 R4.1.1 U2.1.2
NetC2.1_2: "ADC Ia.1" C2.1.2 P2.1.1 P2.3.7 R2.1.1 U2.1.6
NetC2.2_1: C2.2.1 R2.2.2 R24.2.1 U3.2.2
NetC2.2_2: "ADC Va.1" C2.2.2 P2.3.1 P3.2.1 R2.2.1 U3.2.6
NetC3.1_1: C3.1.1 R9.1.2 R11.1.1 U3.1.2
NetC3.1_2: C3.1.2 P6.1.1 R9.1.1 R12.1.2 U3.1.6
NetC3.2_1: C3.2.1 R29.2.2 R41.2.1 U5.2.2
NetC3.2_2: "T_af kd.1" C3.2.2 R29.2.1 R52.2.2 U5.2.6
NetC4.1_1: C4.1.1 R10.1.2 R12.1.1 U4.1.2
NetC4.1_2: "ADC Ib.1" C4.1.2 P2.3.9 P7.1.1 R10.1.1 U4.1.6
NetC4.2_1: C4.2.1 R30.2.2 R52.2.1 U6.2.2
NetC4.2_2: "ADC Vb.1" "T_af Offset.1" C4.2.2 P2.3.3 R30.2.1 U6.2.6
NetC5.1_1: C5.1.1 R17.1.2 R19.1.1 U5.1.2
NetC5.1_2: C5.1.2 P11.1.1 R17.1.1 R20.1.2 U5.1.6
NetC5.2_1: C5.2.1 R57.2.2 R69.2.1 U8.2.2
NetC5.2_2: C5.2.2 P10.2.1 R57.2.1 R80.2.2 U8.2.6
NetC5.4_2: "100uH 3A.2"@90.9,8.7 C5.4.2 C7.4.1 LM7915_-15V.2 T_i-15V.1
NetC6.1_1: C6.1.1 R18.1.2 R20.1.1 U6.1.2
NetC6.1_2: "ADC Ic.1" C6.1.2 P2.3.11 P12.1.1 R18.1.1 U6.1.6
NetC6.2_1: C6.2.1 R58.2.2 R80.2.1 U9.2.2
NetC6.2_2: "ADC Vc.1" C6.2.2 P2.3.5 P11.2.1 R58.2.1 U9.2.6
NetC9.4_1: "+15V->5V DC.2" "REF 2.5V.1" C9.4.1 C10.4.1 T+5V.1
NetC11.4_2: "OP CL.3" "REF 2.5V.2" C11.4.2 T+2.5V.1
NetD1.4_1: D1.4.1 D3.4.2 U2.4.1
NetD1.4_2: "100uH 3A.1"@105.6,8.9 D1.4.2 D2.4.2
NetD2.4_1: D2.4.1 D4.4.2 U2.4.13
NetD3.4_1: "100uH 3A.1"@80.9,9.1 D3.4.1 D4.4.1
NetLD1.4_1: LD1.4.1 R4.4.2
NetLD2.4_1: LD2.4.1 R3.4.1
NetP1.2_1: "LEM LV25-P (phase A).3" "O_L Va.1" R13.2.2 R26.2.2
NetP2.3_13: "OP CL.2" "OP CL.6" P2.3.13 R5.1.2 R13.1.2 R21.1.2 R25.2.2 R53.2.2 R81.2.2 Voffset.1 Vos.1
NetP4.4_1: "220V AC.1" U2.4.0
NetP4.4_2: "220V AC.2" U2.4.12
NetP5.1_1: "LEM LA25-NP (phase A).1" "O_L Ia.1" R3.1.2 R6.1.2
NetP5.2_1: "LEM LV25-P (phase B).3" "O_L Vb.1" R41.2.2 R54.2.2
NetP9.2_1: "LEM LV25-P (phase C).3" "O_L Vc.1" R69.2.2 R82.2.2
NetP10.1_1: "LEM LA25-NP (phase B).1" "O_L Ib.1" R11.1.2 R14.1.2
NetP14.1_1: "LEM LA25-NP (phase C).1" "O_L Ic.1" R19.1.2 R22.1.2
NetR3.2_1: R3.2.1 R14.2.1
NetR3.2_2: R3.2.2 R4.2.2
NetR4.2_1: R4.2.1 R5.2.1
NetR5.1_1: R5.1.1 R8.1.2 U2.1.3
NetR5.2_2: R5.2.2 R6.2.2
NetR6.2_1: R6.2.1 R7.2.1
NetR7.1_2: R7.1.2 U1.1.3
NetR7.2_2: R7.2.2 R8.2.2
NetR8.2_1: R8.2.1 R9.2.1
NetR9.2_2: R9.2.2 R10.2.2
NetR10.2_1: R10.2.1 R11.2.1
NetR11.2_2: R11.2.2 R12.2.2
NetR12.2_1: "LEM LV25-P (phase A).1" R12.2.1
NetR13.1_1: R13.1.1 R16.1.2 U4.1.3
NetR14.2_2: R14.2.2 R15.2.2
NetR15.1_2: R15.1.2 U3.1.3
NetR15.2_1: R15.2.1 R16.2.1
NetR16.2_2: R16.2.2 R17.2.2
NetR17.2_1: R17.2.1 R18.2.1
NetR18.2_2: R18.2.2 R19.2.2
NetR19.2_1: R19.2.1 R20.2.1
NetR20.2_2: R20.2.2 R21.2.2
NetR21.1_1: R21.1.1 R24.1.2 U6.1.3
NetR21.2_1: R21.2.1 R22.2.1
NetR22.2_2: R22.2.2 R23.2.2
NetR23.1_2: R23.1.2 U5.1.3
NetR25.2_1: R25.2.1 R28.2.2 U3.2.3
NetR27.2_2: R27.2.2 U2.2.3
NetR31.2_1: R31.2.1 R42.2.1
NetR31.2_2: R31.2.2 R32.2.2
NetR32.2_1: R32.2.1 R33.2.1
NetR33.2_2: R33.2.2 R34.2.2
NetR34.2_1: R34.2.1 R35.2.1
NetR35.2_2: R35.2.2 R36.2.2
NetR36.2_1: R36.2.1 R37.2.1
NetR37.2_2: R37.2.2 R38.2.2
NetR38.2_1: R38.2.1 R39.2.1
NetR39.2_2: R39.2.2 R40.2.2
NetR40.2_1: "LEM LV25-P (phase B).1" R40.2.1
NetR42.2_2: R42.2.2 R43.2.2
NetR43.2_1: R43.2.1 R44.2.1
NetR44.2_2: R44.2.2 R45.2.2
NetR45.2_1: R45.2.1 R46.2.1
NetR46.2_2: R46.2.2 R47.2.2
NetR47.2_1: R47.2.1 R48.2.1
NetR48.2_2: R48.2.2 R49.2.2
NetR49.2_1: R49.2.1 R50.2.1
NetR50.2_2: R50.2.2 R51.2.2
NetR53.2_1: R53.2.1 R56.2.2 U6.2.3
NetR55.2_2: R55.2.2 U5.2.3
NetR59.2_1: R59.2.1 R70.2.1
NetR59.2_2: R59.2.2 R60.2.2
NetR60.2_1: R60.2.1 R61.2.1
NetR61.2_2: R61.2.2 R62.2.2
NetR62.2_1: R62.2.1 R63.2.1
NetR63.2_2: R63.2.2 R64.2.2
NetR64.2_1: R64.2.1 R65.2.1
NetR65.2_2: R65.2.2 R66.2.2
NetR66.2_1: R66.2.1 R67.2.1
NetR67.2_2: R67.2.2 R68.2.2
NetR68.2_1: "LEM LV25-P (phase C).1" R68.2.1
NetR70.2_2: R70.2.2 R71.2.2
NetR71.2_1: R71.2.1 R72.2.1
NetR72.2_2: R72.2.2 R73.2.2
NetR73.2_1: R73.2.1 R74.2.1
NetR74.2_2: R74.2.2 R75.2.2
NetR75.2_1: R75.2.1 R76.2.1
NetR76.2_2: R76.2.2 R77.2.2
NetR77.2_1: R77.2.1 R78.2.1
NetR78.2_2: R78.2.2 R79.2.2
NetR81.2_1: R81.2.1 R84.2.2 U9.2.3
NetR83.2_2: R83.2.2 U8.2.3
"PHASE A": "Phase A.1" R23.2.1
"PHASE B": "Phase B.1" R51.2.1
"PHASE C": "Phase C.1" R79.2.1
pads on no net: "OP CL.1" "OP CL.5" "OP CL.8" Ia.1 Ib.1 Ic.1 LM7815_+15V.4 LM7915_-15V.4 LO1.1.1 LO1.4.1 LO2.1.1 LO2.4.1 LO3.1.1 LO3.4.1 LO4.1.1 LO4.4.1 LO5.1.1 LO5.4.1 LO6.1.1 LO6.4.1 U1.1.1 U1.1.5 U1.1.8 U2.1.1 U2.1.5 U2.1.8 U2.2.1 U2.2.5 U2.2.8 U2.4. U2.4.2 U2.4.3 U2.4.4 U2.4.5 U2.4.6 U2.4.8 U2.4.9 U2.4.10 U2.4.11 U3.1.1 U3.1.5 U3.1.8 U3.2.1 U3.2.5 U3.2.8 U4.1.1 U4.1.5 U4.1.8 U5.1.1 U5.1.5 U5.1.8 U5.2.1 U5.2.5 U5.2.8 U6.1.1 U6.1.5 U6.1.8 U6.2.1 U6.2.5 U6.2.8 U8.2.1 U8.2.5 U8.2.8 U9.2.1 U9.2.5 U9.2.8

## Keep-outs
Keep-Out Layer:
  the board outline again, w0.254

## Silkscreen, mask and mechanical layers (free items; w line width, h text height)
Top Overlay:
  drawing of 192 lines, arcs and shapes, not listed
  text "C1 R / R24 / C2 R" at 216.5,122.5 h1.52
  text "R27 / R26 R13 / R28 / R25" at 182.5,120 h1.52
  text "LD+15V" at 168,110.5 h1.52
  text "LD-15V" at 167,98.5 h1.52
  text "20 Rm LV25P (phase A) / 2K ohm 1/8 W smd 0805" at 38.75,77.5 h1.52 r90
  text "20 Rm LV25P (phase B) / 2K ohm 1/8 W smd 0805" at 83.75,77.25 h1.52 r90
  text "20 Rm LV25P (phase C) / 2K ohm 1/8 W smd 0805" at 128.5,77 h1.52 r90
  text "Va" at 12,41.5 h1.52
  text "Vb" at 12,39 h1.52
  text "Vc" at 12,36.5 h1.52
  text "Ia" at 12,34 h1.52
  text "Ib" at 12,31.5 h1.52
  text "Diode bridge" at 152.5,31.5 h1.52
  text "Ic" at 12,29 h1.52
  text "C1 R / R24 / C2 R" at 52,29 h1.52
  text "R27 / R26 R13 / R28 / R25" at 17.5,27 h1.52
  text "Vos" at 12,26.5 h1.52

## Text inside footprints (layer, text, board x,y; h text height)
P2.3: Top Overlay "2" at 6.9,44.8 h1.27 r270; Top Overlay "1" at 4.3,44.4 h1.27 r270; Top Overlay "14" at 7,25.9 h1.27 r270; Top Overlay "13" at 4.2,25.9 h1.27 r270